# Altium PCB roach2.PcbDoc (part 19 of 39)
Units mil, origin at the board's own origin, x right, y up, seen from the top; angles counter-clockwise.
Board outline 12007.87 x 9606.3 mil, 16 copper layers (L1_TOP, L2_G, L3_S, L4_G, L5_S, L6_P, L7_G, L8_R, L9_R, L10_P, L11_P, L12_S, L13_P, L14_S, L15_G, L16_BOT), stack 81.651 mil thick; 1568 components, 1918 nets, 9251 pads, 6741 vias.
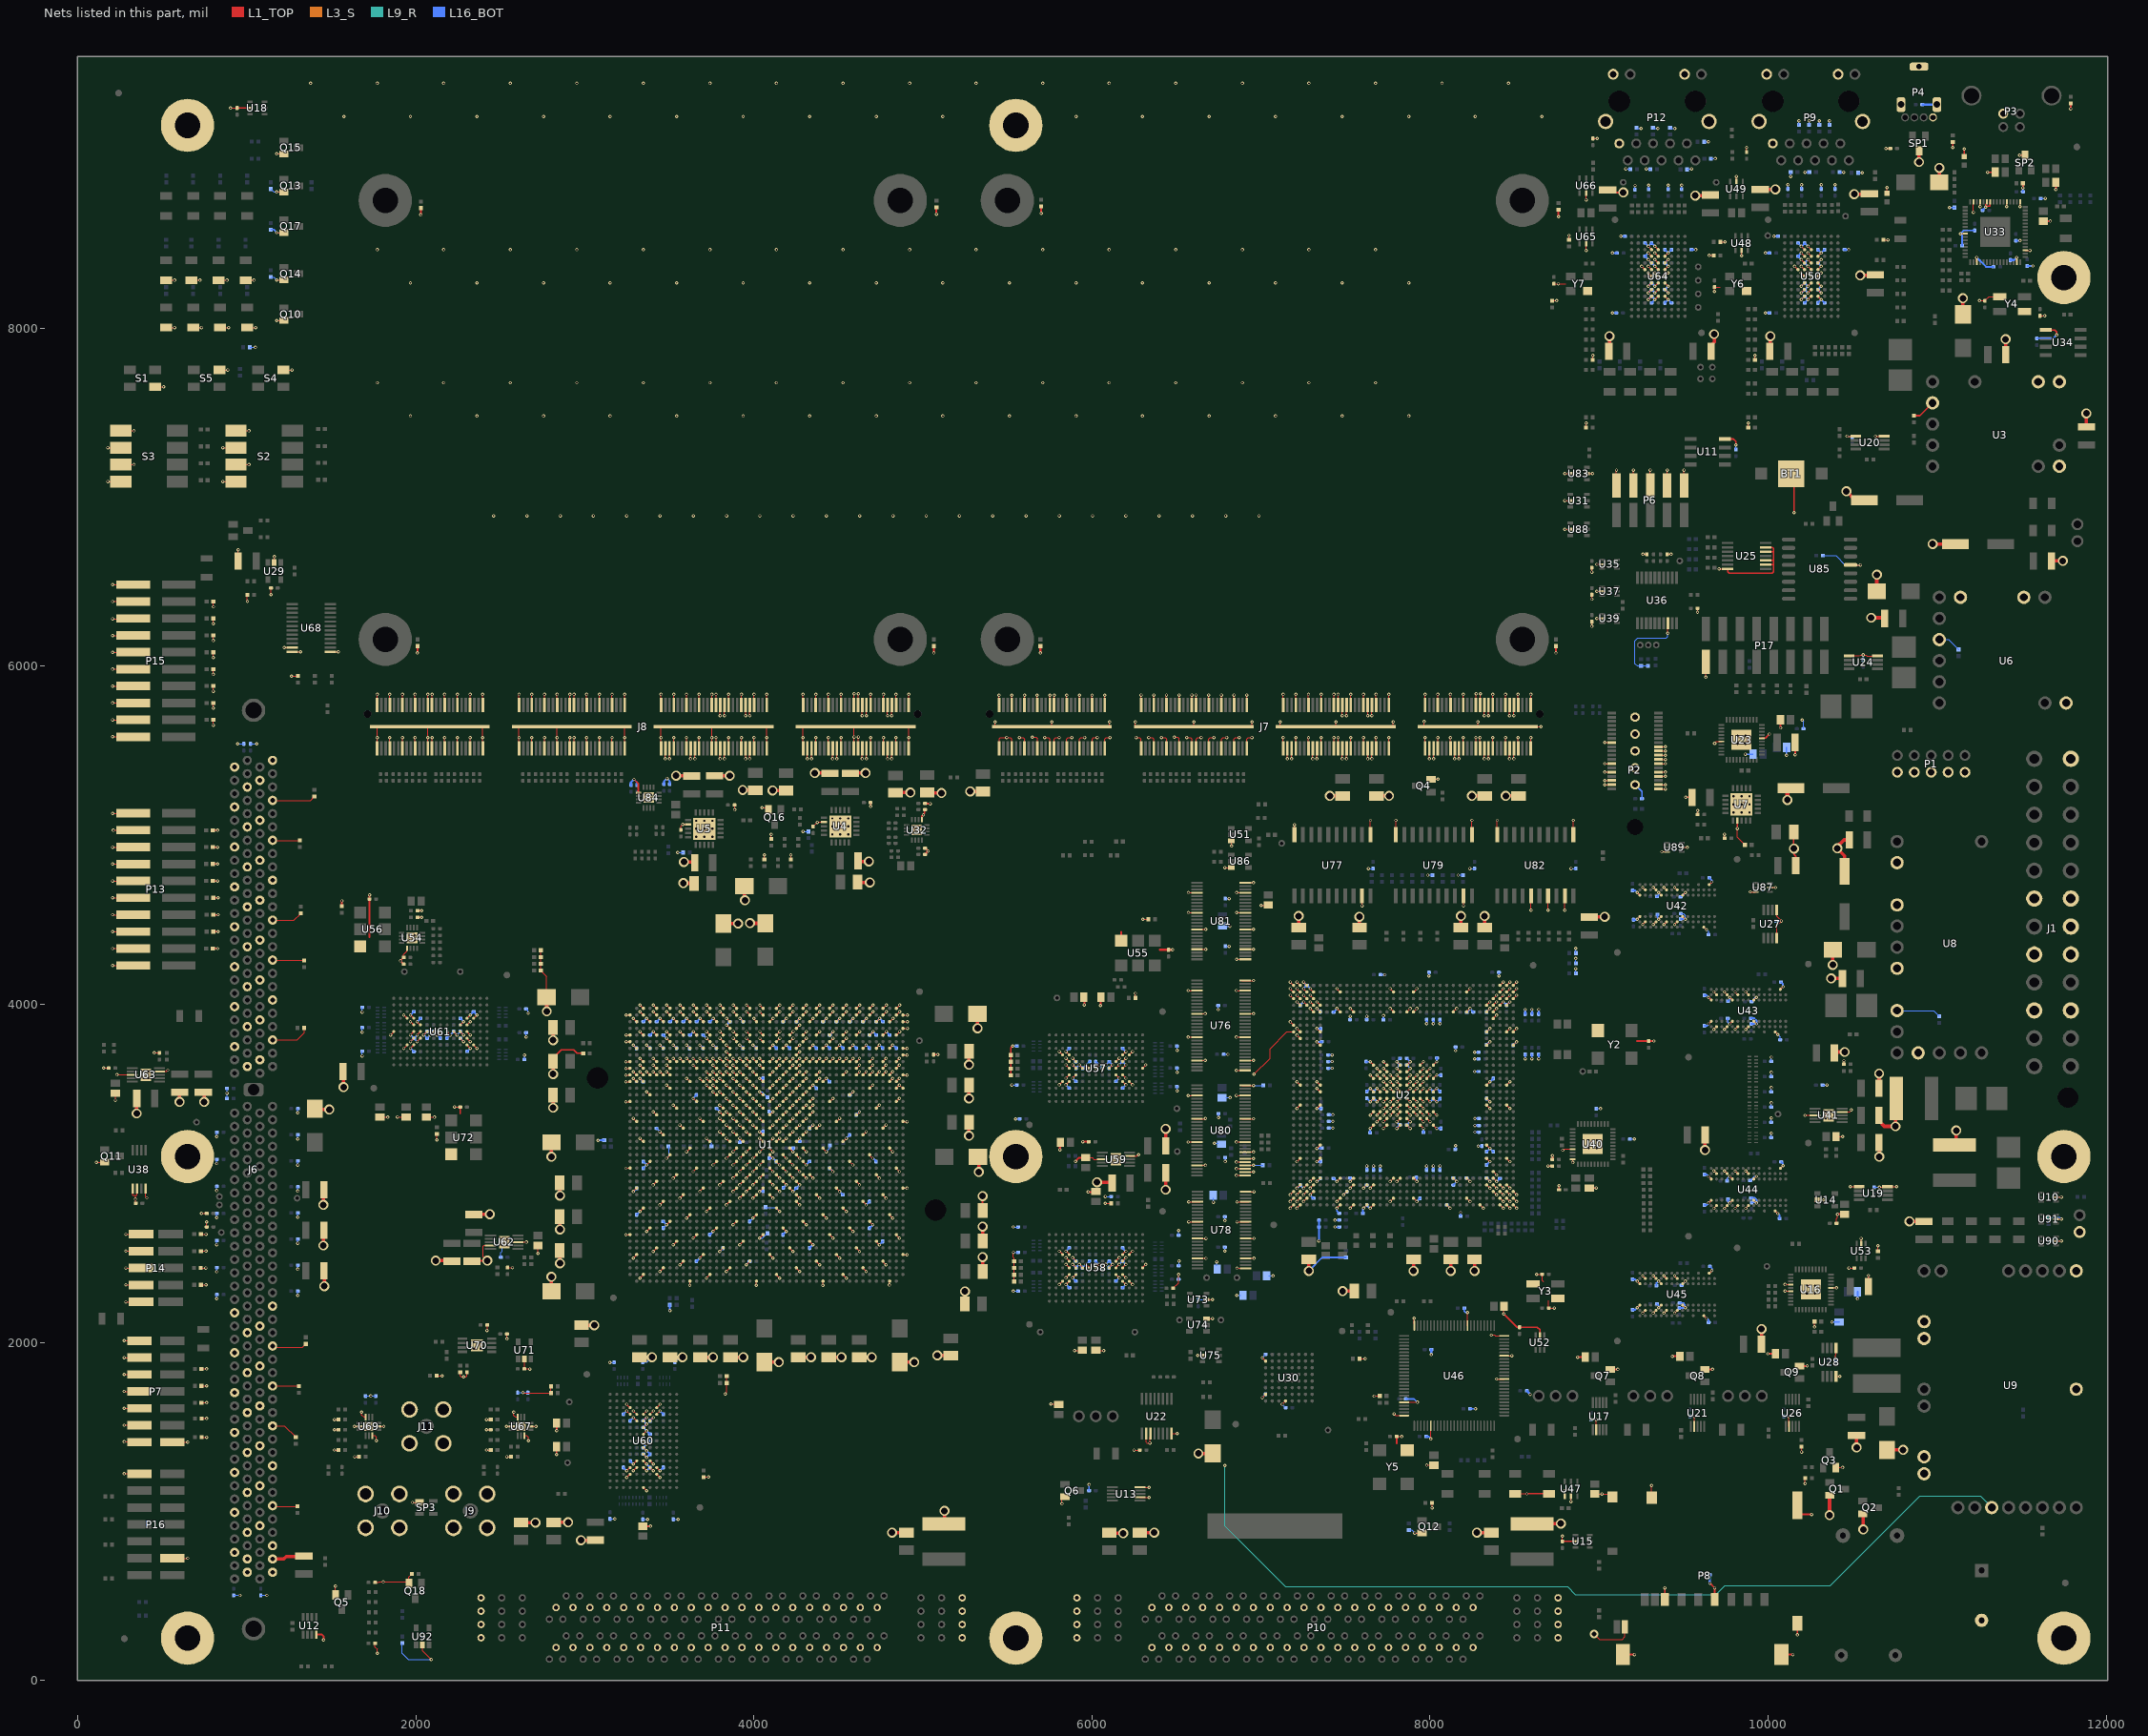
[diagram p33: the nets of this part, all layers, seen from the top]

## Via types
v1: diameter 19.4, hole 10, L1_TOP to L16_BOT, tented both sides, 3354 vias
v2: diameter 19.4, hole 10, L1_TOP to L16_BOT, 1954 vias
v3: diameter 19.4, hole 10, L1_TOP to L16_BOT, tented top, 429 vias
v4: diameter 18.6, hole 10, L1_TOP to L16_BOT, tented both sides, 311 vias
v5: diameter 59.06, hole 39.37, L1_TOP to L16_BOT, 217 vias
v6: diameter 19.4, hole 10.04, L1_TOP to L16_BOT, 125 vias
v7: diameter 19, hole 10, L1_TOP to L16_BOT, 93 vias
v8: diameter 19.4, hole 10, L1_TOP to L16_BOT, tented bottom, 80 vias
v9: diameter 25.98, hole 12.99, L1_TOP to L16_BOT, tented top, 55 vias
v10: diameter 20, hole 10, L1_TOP to L16_BOT, 53 vias
v11: diameter 59.06, hole 39.37, L1_TOP to L16_BOT, tented top, 44 vias
v12: diameter 20, hole 10, L1_TOP to L16_BOT, tented top, 16 vias
v13: diameter 19, hole 10, L1_TOP to L16_BOT, tented top, 5 vias
v14: diameter 25.98, hole 12.99, L1_TOP to L16_BOT, 4 vias
v15: diameter 50, hole 28, L1_TOP to L16_BOT, 1 vias

## Nets (pads, with @x,y where several pads share a name; then routed paths per layer and width w, separated by ;. In a path a pad name is that pad's centre, name@x,y a point inside that pad or via, vN(x,y) a via of type N, cw(c..) or ccw(c..) an arc to the next point about the centre after c; other vN are vias at no path point) (continued)
GND: (continued)
  L1_TOP w5: v2(110.8,3065.02) Q11.2@140.99,3064.99 ; v2@153.37,3622.99 C666.1@183.31,3622.99 C666.1@183.53,3622.99 ; v2(178.47,7092.99) S3.8@255.67,7092.99 ; v2(178.47,7293.39) S3.6@255.67,7293.39 ; v2(206.36,4230) P13.2@296.99,4230 ; v2(206.36,4330) P13.4@296.99,4330 ; v2(206.36,4430) P13.6@296.99,4430 ; v2(206.36,4530) P13.8@296.99,4530 ; v2(206.36,4630) P13.10@296.99,4630 ; v2(206.36,4730) P13.12@296.99,4730 ; v2(206.36,4830) P13.14@296.99,4830 ; v2(206.36,4930) P13.16@296.99,4930 ; v2(206.36,5130) P13.20@296.99,5130 ; v2(206.36,5582.99) P15.2@296.99,5582.99 ; v2(206.36,5682.99) P15.4@296.99,5682.99 ; v2(206.36,5782.99) P15.6@296.99,5782.99 ; v2(206.36,5882.99) P15.8@296.99,5882.99 ; v2(206.36,5982.99) P15.10@296.99,5982.99 ; v2(206.36,6082.99) P15.12@296.99,6082.99 ; v2(206.36,6180.99) P15.14@296.99,6180.99 ; v2(206.36,6280.99) P15.16@296.99,6280.99 ; v2(206.36,6382.99) P15.18@296.99,6382.99 ; v2(206.36,6482.99) P15.20@296.99,6482.99 ; v2(211.41,5030) P13.18@302.04,5030 ; v2(222.96,3432.8) C661.1@222.99,3462.99 ; v2(231.65,3582.99) U63.8@322.28,3582.99 ; S3.7@255.67,7192.6 v2(332.87,7192.6) ; S3.5@255.67,7392.99 v2(332.87,7392.99) ; v2(275.03,1222.99) P16.14@365.55,1222.99 ; v2(275.03,1510) P7.11@365.55,1510 ; v2(275.03,1610) P7.9@365.55,1610 ; v2(275.03,1710) P7.7@365.55,1710 ; v2(275.03,1810) P7.5@365.55,1810 ; v2(275.03,1910) P7.3@365.55,1910 ; v2(275.03,2010) P7.1@365.55,2010 ; v2(275.99,1411.47) P7.13@366.51,1411.47 ; v2(285.07,2240) P14.6@375.59,2240 ; v2(285.07,2340) P14.7@375.59,2340 ; v2(285.07,2440) P14.8@375.59,2440 ; v2(285.07,2540) P14.9@375.59,2540 ; v2(285.07,2640) P14.10@375.59,2640 ; U38.1@324.61,2909.8 324.61,2871.38 340.99,2871.38 ; C42.1@341.34,2828.99 v3@341.34,2847.15 ; v3(341.37,2847.18) 341.37,2871 340.99,2871.38 ; U38.2@350.2,2909.8 350.2,2872.2 349.38,2871.38 340.99,2871.38 ; U38.4@401.38,2909.8 401.38,2862.61 v2(408.99,2854.99) ; v2(452.8,3712.71) C665.1@482.99,3712.68 ; S1.1@457.99,7652.99 v2(507.93,7652.99) ; U63.4@483.7,3602.68 524.68,3602.68 v2(532.99,3610.99) ; DS15.1@522.99,8003.94 v2(573.13,8003.94) ; DS22.1@522.99,8283.94 v2(573.13,8283.94) ; P16.3@560.43,722.99 v2(650.95,722.99) ; P7.14@560.43,1410 v2(650.95,1410) ; DS19.1@672.99,8283.94 v2(723.13,8283.94) ; DS16.1@682.99,8003.94 v2(733.13,8003.94) ; SP39.1@728.36,2439.99 v2(758.36,2439.99) ; SP38.1@729.36,2339.99 v2(759.36,2339.99) ; SP40.1@729.37,2540 v2(759.37,2540) ; SP41.1@729.37,2640 v2(759.37,2640) ; SP8.1@732.36,1642.99 v2(762.36,1642.99) ; SP7.1@732.36,1742.99 v2(762.36,1742.99) ; SP6.1@732.36,1842.99 v2(762.36,1842.99) ; SP5.2@732.99,1438.92 v2(762.99,1438.92) ; SP4.2@732.99,1550 v2(762.99,1550) ; v2@733.15,2762.99 C669.1@763.31,2762.99 ; C670.1@763.31,2682.99 v2(763.34,2713.18) ; v2(801.57,5651.99) SP29.1@801.57,5682.99 ; v2(801.57,5751.99) SP30.1@801.57,5782.99 ; v2(801.57,5851.99) SP31.1@801.57,5882.99 ; v2(801.57,5951.99) SP32.1@801.57,5982.99 ; v2(801.57,6051.99) SP33.1@801.57,6082.99 ; v2(801.57,6151.99) SP34.1@801.57,6182.99 ; v2(801.57,6251.99) SP35.1@801.57,6282.99 ; v2(803.54,6351.99) SP36.1@803.54,6382.99 ; DS20.1@832.99,8283.94 v2(883.13,8283.94) ; S5.2@837.99,7752.99 v2(887.93,7752.99) ; DS17.1@842.99,8003.94 v2(893.13,8003.94) ; v2(858.47,7092.99) S2.8@935.67,7092.99 ; v2(858.47,7293.39) S2.6@935.67,7293.39 ; v2(904.3,9302.08) 904.9,9302.68 C46.1@942.99,9302.68 ; S2.7@935.67,7192.6 v2(1012.87,7192.6) ; S2.5@935.67,7392.99 v2(1012.87,7392.99) ; C163.1@949.84,6622.99 v2(949.84,6688.87) ; DS21.1@992.99,8283.94 v2(1043.13,8283.94) ; DS18.1@1002.99,8003.94 v2(1053.13,8003.94) ; R38.1@1003.31,6422.99 1003.31,6384.9 v2(1003.91,6384.3) ; C162.1@1143.31,6462.99 1143.31,6424.9 v2(1143.91,6424.3) ; J6.229@1152.6,1033.54 1156.46,1029.69 R338.2@1300,1029.69 ; J6.217@1152.6,1505.98 1223.7,1505.98 R337.2@1290,1439.69 ; J6.211@1152.6,1742.2 1153.12,1741.69 R336.2@1308,1741.69 ; J6.205@1152.6,1978.43 1160.02,1971 1330.69,1971 R339.2@1350,1990.31 ; J6.163@1152.6,3789.45 1297.45,3789.45 1339.69,3831.69 R341.2@1339.69,3860 ; J6.151@1152.6,4261.89 1154.8,4259.69 R335.2@1340,4259.69 ; J6.145@1152.6,4498.11 1279.8,4498.11 R334.2@1320,4538.31 ; J6.133@1152.6,4970.55 1153.46,4969.69 R300.2@1314,4969.69 ; J6.127@1152.6,5206.77 1376.46,5206.77 R340.2@1400,5230.31 ; U29.2@1162.99,6614.17 v2(1162.99,6648.56) ; v2(1177.42,8045.59) Q10.2@1219.68,8045.59 ; v2(1177.42,8285.59) Q14.2@1219.68,8285.59 ; v2(1177.42,8565.59) Q17.2@1219.68,8565.59 ; v2(1177.42,8805.59) Q13.2@1219.68,8805.59 ; v2(1177.42,9031.09) Q15.2@1219.68,9031.09 ; S4.2@1217.99,7752.99 v2(1267.93,7752.99) ; v2(1221.62,6110.83) U68.11@1269.79,6110.83 ; v2(1264.3,5942.08) 1264.9,5942.68 R436.1@1302.99,5942.68 ; U68.12@1269.79,6085.24 v2(1317.95,6085.24) ; U68.13@1494.2,6085.24 v2(1542.36,6085.24) ; v3(1518.65,1363.2) 1518.85,1362.99 R443.1@1543.31,1362.99 ; v2(1518.65,1483.2) 1518.85,1482.99 C725.1@1543.31,1482.99 ; v3(1518.64,1543.2) 1518.85,1542.99 R442.2@1543.31,1542.99 ; Q5.2@1525.59,506.3 v2@1525.59,557.59 ; v3@1638.33,1503.2 1638.53,1502.99 U69.5@1662.99,1502.99 ; v3(1638.65,1323.2) 1638.85,1322.99 R445.1@1663.31,1322.99 ; v2(1679.99,1587.99) 1679.99,1571.01 1692.89,1558.11 U69.3@1703.31,1558.11 ; U69.3@1703.31,1554.17 U69.3@1703.31,1564.68 ; U69.9@1742.68,1447.87 1757.13,1447.87 1765.99,1439.01 v2(1765.99,1417.99) ; C37.2@1759.69,220 1759.69,198.3 1772.99,184.99 1772.99,160.53 v2(1772.79,160.33) ; C38.2@1759.69,580 1780,580 1782.99,582.99 1807.45,582.99 v2(1807.65,582.79) 1869,582.79 ; J8.AG1@1771.28,5515.49 v3(1771.28,5578.28) J8.AGND@1771.28,5639.7 ; J8.AG11@1771.28,5770.49 v2(1771.28,5833.28) ; U69.11@1781.99,1502.99 1806.45,1502.99 v2@1806.65,1502.79 ; C602.1@1799.99,3331.99 v2@1831.99,3331.99 ; J8.AG2@1846.28,5515.49 v3(1846.28,5578.28) ; J8.AG12@1846.28,5770.49 v2(1846.28,5833.28) ; v1(1850.39,3818.9) U61.R6@1870.08,3838.58 ; 1873.12,582.79 1869,582.79 ; v2@1893.99,3333.99 C603.1@1925.99,3333.99 ; J8.AG3@1921.28,5515.49 v3(1921.28,5578.28) ; J8.AG13@1921.28,5770.49 v2(1921.28,5833.28) ; C501.1@1928.31,4277.8 1928.31,4294.31 1948.46,4314.46 U54.13@1948.46,4331.97 ; v1(1929.13,3740.16) U61.N8@1948.82,3759.84 ; v1(1929.13,3937.01) U61.N4@1948.82,3917.32 ; v1(1968.5,3740.16) U61.M8@1988.19,3759.84 ; v1(1968.5,3779.53) U61.M7@1988.19,3799.21 ; v1(1968.5,3818.9) U61.M6@1988.19,3838.58 ; v1(1968.5,3897.64) U61.M5@1988.19,3877.95 ; v1(1968.5,3937.01) U61.M4@1988.19,3917.32 ; R119.1@1977.32,630 1959.6,612.28 Q18.2@1959.6,573.31 1950.12,582.79 1869,582.79 ; v2(1979.99,1053.12) 1980.2,1052.91 SP3.1@2021.65,1052.91 ; J8.AG4@1996.28,5515.49 v3(1996.28,5578.28) ; J8.AG14@1996.28,5770.49 v2(1996.28,5833.28) ; v1(2007.87,3779.53) U61.L7@2027.56,3799.21 ; v1(2007.87,3818.9) U61.L6@2027.56,3838.58 ; v1(2007.87,3897.64) U61.L5@2027.56,3877.95 ; U92.2@2040,208.82 2040,176 v7(2092,124) ; v1(2047.24,3818.9) U61.K6@2066.93,3838.58 ; J8.AG5@2071.28,5515.49 v3(2071.28,5578.28) J8.AGND@2071.28,5642.99 ; J8.AG15@2071.28,5770.49 v2(2071.28,5833.28) ; C582.1@2075.99,3331.99 v2@2107.99,3331.99 ; v1(2086.61,3818.9) U61.J6@2106.3,3838.58 ; J8.AG6@2096.28,5515.49 v3(2096.28,5578.28) ; J8.AG16@2096.28,5770.49 v2(2096.28,5833.28) ; SP42.2@2122.99,1802.99 2154.62,1802.99 v2(2155.62,1801.99) ; v2@2124.99,3200.31 R372.2@2124.99,3232.31 ; v1(2125.98,3818.9) U61.H6@2145.67,3838.58 ; J8.AG7@2171.28,5515.49 v3(2171.28,5578.28) ; J8.AG17@2171.28,5770.49 v2(2171.28,5833.28) ; U61.G6@2185.04,3838.58 v1(2204.73,3818.9) ; U61.F6@2224.41,3838.58 v1(2244.1,3818.9) ; v2@2231.31,3392.99 C729.1@2263.31,3392.99 ; J8.AG8@2246.28,5515.49 v3(2246.28,5578.28) ; J8.AG18@2246.28,5770.49 v2(2246.28,5833.28) ; R452.1@2262.99,1823.31 2262.99,1801.99 2268.99,1795.99 v2(2282.99,1795.99) 2296.99,1795.99 2302.99,1801.99 C726.1@2302.99,1823.31 ; U61.E7@2263.78,3799.21 v1(2283.47,3779.53) ; U61.E6@2263.78,3838.58 v1(2283.47,3818.9) ; U61.E5@2263.78,3877.95 v1(2283.47,3897.64) ; U61.D8@2303.15,3759.84 v1(2322.84,3740.16) ; U61.D7@2303.15,3799.21 v1(2322.84,3779.53) ; U61.D6@2303.15,3838.58 v1(2322.84,3818.9) ; U61.D5@2303.15,3877.95 v1(2322.84,3897.64) ; U61.D4@2303.15,3917.32 v1(2322.84,3937.01) ; J8.AG9@2321.28,5515.49 v3(2321.28,5578.28) ; J8.AG19@2321.28,5770.49 v2(2321.28,5833.28) ; U61.C8@2342.52,3759.84 v1(2362.21,3740.16) ; U61.C4@2342.52,3917.32 v1(2362.21,3937.01) ; J8.AG10@2396.28,5515.49 v3(2396.28,5578.28) J8.AGND@2396.28,5642.99 ; J8.AG20@2396.28,5770.49 v2(2396.28,5833.28) ; v3(2418.65,1363.2) 2418.85,1362.99 R428.1@2443.31,1362.99 ; v2(2418.65,1483.2) 2418.85,1482.99 C721.1@2443.31,1482.99 ; v3(2418.64,1543.2) 2418.85,1542.99 R427.2@2443.31,1542.99 ; v2(2421.68,2070.36) 2422.68,2071.36 C728.1@2422.68,2102.99 ; v5(2422.99,2482.99) 2397.99,2507.99 2397.99,2567.99 2403.31,2573.31 U62.4@2442.28,2573.31 ; v3@2538.33,1503.2 2538.53,1502.99 U67.5@2562.99,1502.99 ; v3(2538.65,1323.2) 2538.85,1322.99 R429.1@2563.31,1322.99 ; v2@2539.68,2026 C485.1@2539.68,2050 ; C628.1@2542.99,2442.68 v2(2571.99,2442.68) ; v2(2579.99,1587.99) 2579.99,1568.8 2590.68,1558.11 U67.3@2603.31,1558.11 ; U67.3@2603.31,1554.17 U67.3@2603.31,1564.68 ; U62.8@2603.7,2592.99 v2(2653.99,2592.99) v2@2657.99,2592.99 ; J8.BG1@2611.28,5515.49 v3(2611.28,5578.28) J8.BGND@2611.28,5642.99 ; J8.BG11@2611.28,5770.49 v2(2611.28,5833.28) ; v2(2633.99,1702.68) 2636.67,1700 R312.2@2800.31,1700 R311.2@2800.31,1740 ; U67.9@2642.68,1447.87 2656.13,1447.87 2665.99,1438.01 v2(2665.99,1417.99) ; U71.2@2642.99,1901.81 2642.68,1901.5 C727.1@2642.68,1842.99 2674.31,1842.99 v2(2675.31,1841.99) ; U67.11@2681.99,1502.99 2706.45,1502.99 v2@2706.65,1502.79 ; J8.BG2@2686.28,5515.49 v3(2686.28,5578.28) ; J8.BG12@2686.28,5770.49 v2(2686.28,5833.28) ; v2@2722.99,2522.46 v2(2722.99,2526.46) C626.1@2722.99,2573.46 C626.1@2722.99,2576.76 ; R316.2@2739.69,4320 R315.2@2739.69,4280 R314.2@2739.69,4240 R313.2@2739.69,4200 2773.58,4166.1 C307.2@2773.58,4042.99 ; J8.BG3@2761.28,5515.49 v3(2761.28,5578.28) ; J8.BG13@2761.28,5770.49 v2(2761.28,5833.28) ; J8.BG4@2836.28,5515.49 v3(2836.28,5578.28) J8.BGND@2836.28,5642.99 ; J8.BG14@2836.28,5770.49 v2(2836.28,5833.28) ; J8.BG5@2911.28,5515.49 v3(2911.28,5578.28) ; J8.BG15@2911.28,5770.49 v2(2911.28,5833.28) ; J8.BG6@2936.28,5515.49 v3(2936.28,5578.28) ; J8.BG16@2936.28,5770.49 v2(2936.28,5833.28) ; J8.BG7@3011.28,5515.49 v3(3011.28,5578.28) ; J8.BG17@3011.28,5770.49 v2(3011.28,5833.28) ; J8.BG8@3086.28,5515.49 v3(3086.28,5578.28) ; J8.BG18@3086.28,5770.49 v2(3086.28,5833.28) ; J8.BG9@3161.28,5515.49 v3(3161.28,5578.28) ; J8.BG19@3161.28,5770.49 v2(3161.28,5833.28) ; J8.BG10@3236.28,5515.49 v3(3236.28,5578.28) J8.BGND@3236.28,5642.99 ; J8.BG20@3236.28,5770.49 v2(3236.28,5833.28) ; v1@3247.13,2636.26 3267.92,2636.26 U1.BB35@3268.24,2636.57 ; v1@3247.13,3029.96 3267.92,3029.96 U1.BB25@3268.24,3030.27 ; v1@3247.13,3423.66 3267.92,3423.66 U1.BB15@3268.24,3423.98 ; v1@3247.13,3541.77 3267.92,3541.77 U1.BB12@3268.24,3542.09 ; v1@3247.13,3581.14 3267.92,3581.14 U1.BB11@3268.24,3581.46 ; v1@3247.13,3620.51 3267.92,3620.51 U1.BB10@3268.24,3620.83 ; v1@3247.13,3659.88 3267.92,3659.88 U1.BB9@3268.24,3660.2 ; v1(3248.03,1200.79) U60.N4@3267.72,1220.47 ; v1(3248.03,1240.16) U60.M4@3267.72,1259.84 ; v1(3248.03,1594.49) U60.D4@3267.72,1574.8 ; v1(3248.03,1633.86) U60.C4@3267.72,1614.17 ; v1@3248.03,3779.53 3268.82,3779.53 U1.BB6@3269.13,3779.84 ; v1@3248.03,3818.9 3268.82,3818.9 U1.BB5@3269.13,3819.21 ; v1@3248.03,3937.01 3268.82,3937.01 U1.BB2@3269.13,3937.32 ; v1(3286.5,2498.46) U1.BA38@3306.19,2518.15 ; v1(3286.5,2892.16) U1.BA28@3306.19,2911.85 ; v1(3286.5,3325.24) U1.BA18@3306.19,3305.55 ; v1(3286.5,3561.46) U1.BA12@3306.19,3541.77 ; v1(3286.5,3600.83) U1.BA11@3306.19,3581.14 ; v1(3286.5,3758.31) U1.BA7@3306.19,3738.62 ; v1(3287.4,1240.16) U60.M5@3307.09,1259.84 ; v1(3287.4,1279.53) U60.L5@3307.09,1299.21 ; v1(3287.4,1555.12) U60.E5@3307.09,1535.43 ; v1(3287.4,1594.49) U60.D5@3307.09,1574.8 ; v1(3287.4,3917.32) U1.BA3@3307.09,3897.64 ; v1(3325.87,2380.35) U1.AY41@3345.56,2400.04 ; v1(3325.87,2774.05) U1.AY31@3345.56,2793.74 ; v1(3325.87,3207.13) U1.AY21@3345.56,3187.44 ; v1(3325.87,3561.46) U1.AY12@3345.56,3541.77 ; v1(3325.87,3600.83) U1.AY11@3345.56,3581.14 ; v1(3325.87,3640.2) U1.AY10@3345.56,3620.51 ; v1(3325.87,3679.57) U1.AY9@3345.56,3659.88 ; v1(3326.77,3838.58) U1.AY5@3346.46,3818.9 ; v1(3326.77,3956.69) U1.AY2@3346.46,3937.01 ; v1(3326.77,3996.06) U1.AY1@3346.46,3976.38 ; U60.R6@3346.46,1141.73 v1(3366.14,1122.05) ; U60.M6@3346.46,1259.84 v1(3366.14,1240.16) ; U60.L6@3346.46,1299.21 v1(3366.14,1279.53) ; U60.K6@3346.46,1338.58 v1(3366.14,1318.9) ; U60.J6@3346.46,1377.95 v1(3366.14,1358.27) ; U60.H6@3346.46,1417.32 v1(3366.14,1397.64) ; U60.G6@3346.46,1456.69 v1(3366.14,1476.38) ; U60.F6@3346.46,1496.06 v1(3366.14,1515.75) ; U60.E6@3346.46,1535.43 v1(3366.14,1555.12) ; U60.D6@3346.46,1574.8 v1(3366.14,1594.49) ; U1.AY1@3346.46,3975.28 U1.AY1@3346.77,3974.96 ; v1(3365.24,2655.94) U1.AW34@3384.93,2675.63 ; v1(3365.24,3049.64) U1.AW24@3384.93,3069.33 ; v1(3365.24,3482.72) U1.AW14@3384.93,3463.03 ; v1(3365.24,3600.83) U1.AW11@3384.93,3581.14 ; v1(3365.24,3758.31) U1.AW7@3384.93,3738.62 ; v1(3366.14,3917.32) U1.AW3@3385.83,3897.64 ; U60.M7@3385.83,1259.84 v1(3405.51,1240.16) ; U60.L7@3385.83,1299.21 v1(3405.51,1279.53) ; U60.E7@3385.83,1535.43 v1(3405.51,1555.12) ; U60.D7@3385.83,1574.8 v1(3405.51,1594.49) ; v1(3404.61,2537.83) U1.AV37@3424.3,2557.52 ; v1(3404.61,2931.53) U1.AV27@3424.3,2951.22 ; v1(3404.61,3364.61) U1.AV17@3424.3,3344.92 ; v1(3404.61,3600.83) U1.AV11@3424.3,3581.14 ; v1(3404.61,3640.2) U1.AV10@3424.3,3620.51 ; v1(3404.61,3679.57) U1.AV9@3424.3,3659.88 ; v1(3405.51,3838.58) U1.AV5@3425.2,3818.9 ; v1(3405.51,3956.69) U1.AV2@3425.2,3937.01 ; v1(3405.51,3996.06) U1.AV1@3425.2,3976.38 ; U60.N8@3425.2,1220.47 v1(3444.88,1200.79) ; U60.M8@3425.2,1259.84 v1(3444.88,1240.16) ; U60.D8@3425.2,1574.8 v1(3444.88,1594.49) ; U60.C8@3425.2,1614.17 v1(3444.88,1633.86) ; v1(3443.98,2419.72) U1.AU40@3463.67,2439.41 ; v1(3443.98,2813.42) U1.AU30@3463.67,2833.11 ; v1(3443.98,3246.5) U1.AU20@3463.67,3226.81 ; v1(3443.98,3600.83) U1.AU11@3463.67,3581.14 ; v1(3443.98,3758.31) U1.AU7@3463.67,3738.62 ; v1(3444.88,3917.32) U1.AU3@3464.57,3897.64 ; J8.CG1@3451.28,5515.49 v3(3451.28,5578.28) J8.CGND@3451.28,5642.99 ; J8.CG11@3451.28,5770.49 v2(3451.28,5833.28) ; v2(3476.28,5452.7) J8.C1@3476.28,5515.49 ; v1(3483.35,2695.31) U1.AT33@3503.04,2715 ; v1(3483.35,3089.01) U1.AT23@3503.04,3108.7 ; v1(3483.35,3522.09) U1.AT13@3503.04,3502.4 ; v1(3483.35,3600.83) U1.AT11@3503.04,3581.14 ; v1(3483.35,3640.2) U1.AT10@3503.04,3620.51 ; v1(3483.35,3679.57) U1.AT9@3503.04,3659.88 ; v1(3484.25,3799.21) U1.AT6@3503.94,3779.53 ; v1(3484.25,3838.58) U1.AT5@3503.94,3818.9 ; v1(3484.25,3956.69) U1.AT2@3503.94,3937.01 ; v1(3484.25,3996.06) U1.AT1@3503.94,3976.38 ; v2(3501.28,5452.7) J8.C2@3501.28,5515.49 ; v1(3522.72,2577.2) U1.AR36@3542.41,2596.89 ; v1(3522.72,2970.9) U1.AR26@3542.41,2990.59 ; v1(3522.72,3403.98) U1.AR16@3542.41,3384.29 ; v1(3522.72,3679.57) U1.AR9@3542.41,3659.88 ; v1(3522.72,3758.31) U1.AR7@3542.41,3738.62 ; v1(3523.62,3917.32) U1.AR3@3543.31,3897.64 ; J8.CG2@3526.28,5515.49 v3(3526.28,5578.28) ; J8.CG12@3526.28,5770.49 v2(3526.28,5833.28) ; v1(3562.09,2459.09) U1.AP39@3581.78,2478.78 ; v1(3562.09,2852.79) U1.AP29@3581.78,2872.48 ; v1(3562.09,3285.87) U1.AP19@3581.78,3266.18 ; v1(3562.09,3679.57) U1.AP9@3581.78,3659.88 ; v1(3562.99,3838.58) U1.AP5@3582.68,3818.9 ; v1(3562.99,3956.69) U1.AP2@3582.68,3937.01 ; v1(3562.99,3996.06) U1.AP1@3582.68,3976.38 ; C14.1@3567.99,5032.68 3567.99,5053.99 v2(3578.99,5064.99) U5.12@3610.34,5064.99 ; J8.CG3@3601.28,5515.49 v3(3601.28,5578.28) ; J8.CG13@3601.28,5770.49 v2(3601.28,5833.28) ; v1(3601.46,2734.68) U1.AN32@3621.15,2754.37 ; v1(3601.46,3128.38) U1.AN22@3621.15,3148.07 ; v1(3601.46,3561.46) U1.AN12@3621.15,3541.77 ; v1(3601.46,3679.57) U1.AN9@3621.15,3659.88 ; v1(3601.46,3758.31) U1.AN7@3621.15,3738.62 ; v1(3602.36,3917.32) U1.AN3@3622.05,3897.64 ; U1.AN42@3620.83,2358.09 3621.15,2357.77 v1(3621.15,2336.98) ; v2(3626.28,5452.7) J8.C5@3626.28,5515.49 ; v1(3640.83,2616.57) U1.AM35@3660.52,2636.26 ; v1(3640.83,3010.27) U1.AM25@3660.52,3029.96 ; v1(3640.83,3443.35) U1.AM15@3660.52,3423.66 ; v1(3640.83,3640.2) U1.AM10@3660.52,3620.51 ; v1(3640.83,3679.57) U1.AM9@3660.52,3659.88 ; v1(3641.73,3838.58) U1.AM5@3661.42,3818.9 ; v1(3641.73,3956.69) U1.AM2@3661.42,3937.01 ; v1(3641.73,3996.06) U1.AM1@3661.42,3976.38 ; v2(3651.28,5452.7) J8.C6@3651.28,5515.49 ; J8.CG4@3676.28,5515.49 v3(3676.28,5578.28) ; J8.CG14@3676.28,5770.49 v2(3676.28,5833.28) ; v1(3680.2,2498.46) U1.AL38@3699.89,2518.15 ; v1(3680.2,2892.16) U1.AL28@3699.89,2911.85 ; v1(3680.2,3325.24) U1.AL18@3699.89,3305.55 ; v1(3680.2,3561.46) U1.AL12@3699.89,3541.77 ; v1(3680.2,3679.57) U1.AL9@3699.89,3659.88 ; v1(3680.2,3758.31) U1.AL7@3699.89,3738.62 ; v1(3681.1,3917.32) U1.AL3@3700.79,3897.64 ; R371.2@3702.99,1203.31 v2(3731.31,1203.31) ; v1(3719.57,2380.35) U1.AK41@3739.26,2400.04 ; v1(3719.57,2774.05) U1.AK31@3739.26,2793.74 ; v1(3719.57,3207.13) U1.AK21@3739.26,3187.44 ; v1(3719.57,3522.09) U1.AK13@3739.26,3502.4 ; v1(3719.57,3561.46) U1.AK12@3739.26,3541.77 ; v1(3719.57,3600.83) U1.AK11@3739.26,3581.14 ; v1(3719.57,3679.57) U1.AK9@3739.26,3659.88 ; v1(3720.47,3799.21) U1.AK6@3740.16,3779.53 ; v1(3720.47,3838.58) U1.AK5@3740.16,3818.9 ; v1(3720.47,3956.69) U1.AK2@3740.16,3937.01 ; v1(3720.47,3996.06) U1.AK1@3740.16,3976.38 ; J8.CG5@3751.28,5515.49 v3(3751.28,5578.28) J8.CGND@3751.28,5642.99 ; J8.CG15@3751.28,5770.49 v2(3751.28,5833.28) ; v1@3758.09,3525.46 3758.09,3522.94 v1(3758.94,3522.09) U1.AJ13@3778.63,3502.4 ; v1(3758.94,2655.94) U1.AJ34@3778.63,2675.63 ; v1(3758.94,3049.64) U1.AJ24@3778.63,3069.33 ; v1(3758.94,3482.72) U1.AJ14@3778.63,3463.03 ; v1(3758.94,3561.46) U1.AJ12@3778.63,3541.77 ; v1(3758.94,3600.83) U1.AJ11@3778.63,3581.14 ; v1(3758.94,3640.2) U1.AJ10@3778.63,3620.51 ; v1(3758.94,3679.57) U1.AJ9@3778.63,3659.88 ; v1(3758.94,3758.31) U1.AJ7@3778.63,3738.62 ; v1(3759.84,3917.32) U1.AJ3@3779.53,3897.64 ; J8.CG6@3776.28,5515.49 v3(3776.28,5578.28) ; J8.CG16@3776.28,5770.49 v2(3776.28,5833.28) ; v1(3798.31,2537.83) U1.AH37@3818,2557.52 ; v1(3798.31,2931.53) U1.AH27@3818,2951.22 ; v1(3798.31,3246.5) U1.AH20@3818,3226.81 ; v1(3798.31,3325.24) U1.AH18@3818,3305.55 ; v1(3798.31,3364.61) U1.AH17@3818,3344.92 ; v1(3798.31,3403.98) U1.AH16@3818,3384.29 ; v1(3798.31,3482.72) U1.AH14@3818,3463.03 ; v1(3798.31,3561.46) U1.AH12@3818,3541.77 ; v1(3798.31,3600.83) U1.AH11@3818,3581.14 ; v1(3798.31,3679.57) U1.AH9@3818,3659.88 ; v1(3799.21,3799.21) U1.AH6@3818.9,3779.53 ; v1(3799.21,3838.58) U1.AH5@3818.9,3818.9 ; v1(3799.21,3956.69) U1.AH2@3818.9,3937.01 ; v1(3799.21,3996.06) U1.AH1@3818.9,3976.38 ; v2(3801.28,5452.7) J8.C9@3801.28,5515.49 ; v3(3801.28,5707.7) J8.C25@3801.28,5770.49 ; U1.AH1@3818.9,3975.28 U1.AH1@3819.21,3974.96 ; v2(3826.28,5452.7) J8.C10@3826.28,5515.49 ; v3(3826.28,5707.7) J8.C26@3826.28,5770.49 ; v2(3830,1695) 3839.69,1704.69 R309.2@3839.69,1760 R310.2@3839.69,1800 ; v1(3837.68,2419.72) U1.AG40@3857.37,2439.41 ; v1(3837.68,2813.42) U1.AG30@3857.37,2833.11 ; v1(3837.68,3089.01) U1.AG23@3857.37,3108.7 ; v1(3837.68,3207.13) U1.AG21@3857.37,3187.44 ; v1(3837.68,3285.87) U1.AG19@3857.37,3266.18 ; v1(3837.68,3364.61) U1.AG17@3857.37,3344.92 ; v1(3837.68,3443.35) U1.AG15@3857.37,3423.66 ; v1(3837.68,3522.09) U1.AG13@3857.37,3502.4 ; v1(3837.68,3600.83) U1.AG11@3857.37,3581.14 ; v1(3837.68,3640.2) U1.AG10@3857.37,3620.51 ; v1(3837.68,3679.57) U1.AG9@3857.37,3659.88 ; v1(3837.68,3718.94) U1.AG8@3857.37,3699.25 ; v1(3837.68,3758.31) U1.AG7@3857.37,3738.62 ; v1(3838.58,3877.95) U1.AG4@3858.27,3858.27 ; v1(3838.58,3917.32) U1.AG3@3858.27,3897.64 ; J8.CG7@3851.28,5515.49 v3(3851.28,5578.28) ; J8.CG17@3851.28,5770.49 v2(3851.28,5833.28) ; v1(3877.05,2695.31) U1.AF33@3896.74,2715 ; v1(3877.05,2892.16) U1.AF28@3896.74,2911.85 ; v1(3877.05,2970.9) U1.AF26@3896.74,2990.59 ; v1(3877.05,3049.64) U1.AF24@3896.74,3069.33 ; v1(3877.05,3128.38) U1.AF22@3896.74,3148.07 ; v1(3877.05,3246.5) U1.AF20@3896.74,3226.81 ; v1(3877.05,3325.24) U1.AF18@3896.74,3305.55 ; v1(3877.05,3403.98) 